# Allegro board SG2042_EVB_V1_1.brd

Outline 304.8 x 243.84 mm; copper layers: TOP, GND02, ART03, GND04, ART05, GND06, PWR07, PWR08, GND09, ART10, GND11, BOTTOM. Coordinates in mm from the lower left corner of the outline.
Outline path: 0,240.84 arc(0.88,242.96) 3,243.84 301.8,243.84 arc(303.92,242.96) 304.8,240.84 304.8,3 arc(303.92,0.88) 301.8,0 3,0 arc(0.88,0.88) 0,3 0,240.84

## Design rules (mm)
constraint set DEFAULT: min track width 0.102
net group DDR0_PLL_TESTOUT: nets DDR0_PLL_TESTOUT_N DDR0_PLL_TESTOUT_P
net group DDR1_PLL_TESTOUT: nets DDR1_PLL_TESTOUT_N DDR1_PLL_TESTOUT_P
net group DDR2_PLL_TESTOUT: nets DDR2_PLL_TESTOUT_N DDR2_PLL_TESTOUT_P
net group DDR3_PLL_TESTOUT: nets DDR3_PLL_TESTOUT_N DDR3_PLL_TESTOUT_P
net group EMMC_CLK: nets EMMC_CLK N16879443
net group EMMC_CMD: nets EMMC_CMD N18430898
net group EMMC_DAT0: nets EMMC_DAT0 N18430900
net group EMMC_DAT1: nets EMMC_DAT1 N18430902
net group EMMC_DAT2: nets EMMC_DAT2 N18430904
net group EMMC_DAT3: nets EMMC_DAT3 N18430906
net group EMMC_RST_X: nets EMMC_RST_X N18430910
net group PCIE0_0_REFCLK_M: nets N17216233 PCIE0_0_REFCLK_M
net group PCIE0_0_REFCLK_P: nets N17216212 PCIE0_0_REFCLK_P
net group PCIE0_1_REFCLK_M: nets N17216271 PCIE0_1_REFCLK_M
net group PCIE0_1_REFCLK_P: nets N17216252 PCIE0_1_REFCLK_P
net group PCIE0_2_REFCLK_M: nets N17216309 PCIE0_2_REFCLK_M
net group PCIE0_2_REFCLK_P: nets N17216290 PCIE0_2_REFCLK_P
net group PCIE0_3_REFCLK_M: nets N20251336 PCIE0_3_REFCLK_M
net group PCIE0_3_REFCLK_P: nets N20251326 PCIE0_3_REFCLK_P
net group PCIE0_RX[0]: nets PCIE0_RXM[0] PCIE0_RXP[0]
net group PCIE0_RX[1]: nets PCIE0_RXM[1] PCIE0_RXP[1]
net group PCIE0_RX[2]: nets PCIE0_RXM[2] PCIE0_RXP[2]
net group PCIE0_RX[3]: nets PCIE0_RXM[3] PCIE0_RXP[3]
net group PCIE0_RX[4]: nets PCIE0_RXM[4] PCIE0_RXP[4]
net group PCIE0_RX[5]: nets PCIE0_RXM[5] PCIE0_RXP[5]
net group PCIE0_RX[6]: nets PCIE0_RXM[6] PCIE0_RXP[6]
net group PCIE0_RX[7]: nets PCIE0_RXM[7] PCIE0_RXP[7]
net group PCIE0_RX[8]: nets PCIE0_RXM[8] PCIE0_RXP[8]
net group PCIE0_RX[9]: nets PCIE0_RXM[9] PCIE0_RXP[9]
net group PCIE0_RX[10]: nets PCIE0_RXM[10] PCIE0_RXP[10]
net group PCIE0_RX[11]: nets PCIE0_RXM[11] PCIE0_RXP[11]
net group PCIE0_RX[12]: nets PCIE0_RXM[12] PCIE0_RXP[12]
net group PCIE0_RX[13]: nets PCIE0_RXM[13] PCIE0_RXP[13]
net group PCIE0_RX[14]: nets PCIE0_RXM[14] PCIE0_RXP[14]
net group PCIE0_RX[15]: nets PCIE0_RXM[15] PCIE0_RXP[15]
net group PCIE0_TXM[0]: nets PCIE0_TXM[0] PCIE0_TXM[0]_L
net group PCIE0_TXM[1]: nets PCIE0_TXM[1] PCIE0_TXM[1]_L
net group PCIE0_TXM[2]: nets PCIE0_TXM[2] PCIE0_TXM[2]_L
net group PCIE0_TXM[3]: nets PCIE0_TXM[3] PCIE0_TXM[3]_L
net group PCIE0_TXM[4]: nets PCIE0_TXM[4] PCIE0_TXM[4]_L
net group PCIE0_TXM[5]: nets PCIE0_TXM[5] PCIE0_TXM[5]_L
net group PCIE0_TXM[6]: nets PCIE0_TXM[6] PCIE0_TXM[6]_L
net group PCIE0_TXM[7]: nets PCIE0_TXM[7] PCIE0_TXM[7]_L
net group PCIE0_TXM[8]: nets PCIE0_TXM[8] PCIE0_TXM[8]_L
net group PCIE0_TXM[9]: nets PCIE0_TXM[9] PCIE0_TXM[9]_L
net group PCIE0_TXM[10]: nets PCIE0_TXM[10] PCIE0_TXM[10]_L
net group PCIE0_TXM[11]: nets PCIE0_TXM[11] PCIE0_TXM[11]_L
net group PCIE0_TXM[12]: nets PCIE0_TXM[12] PCIE0_TXM[12]_L
net group PCIE0_TXM[13]: nets PCIE0_TXM[13] PCIE0_TXM[13]_L
net group PCIE0_TXM[14]: nets PCIE0_TXM[14] PCIE0_TXM[14]_L
net group PCIE0_TXM[15]: nets PCIE0_TXM[15] PCIE0_TXM[15]_L
net group PCIE0_TXP[0]: nets PCIE0_TXP[0] PCIE0_TXP[0]_L
net group PCIE0_TXP[1]: nets PCIE0_TXP[1] PCIE0_TXP[1]_L
net group PCIE0_TXP[2]: nets PCIE0_TXP[2] PCIE0_TXP[2]_L
net group PCIE0_TXP[3]: nets PCIE0_TXP[3] PCIE0_TXP[3]_L
net group PCIE0_TXP[4]: nets PCIE0_TXP[4] PCIE0_TXP[4]_L
net group PCIE0_TXP[5]: nets PCIE0_TXP[5] PCIE0_TXP[5]_L
net group PCIE0_TXP[6]: nets PCIE0_TXP[6] PCIE0_TXP[6]_L
net group PCIE0_TXP[7]: nets PCIE0_TXP[7] PCIE0_TXP[7]_L
net group PCIE0_TXP[8]: nets PCIE0_TXP[8] PCIE0_TXP[8]_L
net group PCIE0_TXP[9]: nets PCIE0_TXP[9] PCIE0_TXP[9]_L
net group PCIE0_TXP[10]: nets PCIE0_TXP[10] PCIE0_TXP[10]_L
net group PCIE0_TXP[11]: nets PCIE0_TXP[11] PCIE0_TXP[11]_L
net group PCIE0_TXP[12]: nets PCIE0_TXP[12] PCIE0_TXP[12]_L
net group PCIE0_TXP[13]: nets PCIE0_TXP[13] PCIE0_TXP[13]_L
net group PCIE0_TXP[14]: nets PCIE0_TXP[14] PCIE0_TXP[14]_L
net group PCIE0_TXP[15]: nets PCIE0_TXP[15] PCIE0_TXP[15]_L
net group PCIE1_0_REFCLK_M: nets N17216403 PCIE1_0_REFCLK_M
net group PCIE1_0_REFCLK_P: nets N17216384 PCIE1_0_REFCLK_P
net group PCIE1_1_REFCLK_M: nets N17216441 PCIE1_1_REFCLK_M
net group PCIE1_1_REFCLK_P: nets N17216422 PCIE1_1_REFCLK_P
net group PCIE1_2_REFCLK_M: nets N17216485 PCIE1_2_REFCLK_M
net group PCIE1_2_REFCLK_P: nets N17216464 PCIE1_2_REFCLK_P
net group PCIE1_RX[0]: nets PCIE1_RXM[0] PCIE1_RXP[0]
net group PCIE1_RX[1]: nets PCIE1_RXM[1] PCIE1_RXP[1]
net group PCIE1_RX[2]: nets PCIE1_RXM[2] PCIE1_RXP[2]
net group PCIE1_RX[3]: nets PCIE1_RXM[3] PCIE1_RXP[3]
net group PCIE1_RX[4]: nets PCIE1_RXM[4] PCIE1_RXP[4]
net group PCIE1_RX[5]: nets PCIE1_RXM[5] PCIE1_RXP[5]
net group PCIE1_RX[6]: nets PCIE1_RXM[6] PCIE1_RXP[6]
net group PCIE1_RX[7]: nets PCIE1_RXM[7] PCIE1_RXP[7]
net group PCIE1_RX[8]: nets PCIE1_RXM[8] PCIE1_RXP[8]
net group PCIE1_RX[9]: nets PCIE1_RXM[9] PCIE1_RXP[9]
net group PCIE1_RX[10]: nets PCIE1_RXM[10] PCIE1_RXP[10]
net group PCIE1_RX[11]: nets PCIE1_RXM[11] PCIE1_RXP[11]
net group PCIE1_RX[12]: nets PCIE1_RXM[12] PCIE1_RXP[12]
net group PCIE1_RX[13]: nets PCIE1_RXM[13] PCIE1_RXP[13]
net group PCIE1_RX[14]: nets PCIE1_RXM[14] PCIE1_RXP[14]
net group PCIE1_RX[15]: nets PCIE1_RXM[15] PCIE1_RXP[15]
net group PCIE1_TXM[0]: nets PCIE1_TXM[0] PCIE1_TXM[0]_L
net group PCIE1_TXM[1]: nets PCIE1_TXM[1] PCIE1_TXM[1]_L
net group PCIE1_TXM[2]: nets PCIE1_TXM[2] PCIE1_TXM[2]_L
net group PCIE1_TXM[3]: nets PCIE1_TXM[3] PCIE1_TXM[3]_L
net group PCIE1_TXM[4]: nets PCIE1_TXM[4] PCIE1_TXM[4]_L
net group PCIE1_TXM[5]: nets PCIE1_TXM[5] PCIE1_TXM[5]_L
net group PCIE1_TXM[6]: nets PCIE1_TXM[6] PCIE1_TXM[6]_L
net group PCIE1_TXM[7]: nets PCIE1_TXM[7] PCIE1_TXM[7]_L
net group PCIE1_TXM[8]: nets PCIE1_TXM[8] PCIE1_TXM[8]_L
net group PCIE1_TXM[9]: nets PCIE1_TXM[9] PCIE1_TXM[9]_L
net group PCIE1_TXM[10]: nets PCIE1_TXM[10] PCIE1_TXM[10]_L
net group PCIE1_TXM[11]: nets PCIE1_TXM[11] PCIE1_TXM[11]_L
net group PCIE1_TXM[12]: nets PCIE1_TXM[12] PCIE1_TXM[12]_L
net group PCIE1_TXM[13]: nets PCIE1_TXM[13] PCIE1_TXM[13]_L
net group PCIE1_TXM[14]: nets PCIE1_TXM[14] PCIE1_TXM[14]_L
net group PCIE1_TXM[15]: nets PCIE1_TXM[15] PCIE1_TXM[15]_L
net group PCIE1_TXP[0]: nets PCIE1_TXP[0] PCIE1_TXP[0]_L
net group PCIE1_TXP[1]: nets PCIE1_TXP[1] PCIE1_TXP[1]_L
net group PCIE1_TXP[2]: nets PCIE1_TXP[2] PCIE1_TXP[2]_L
net group PCIE1_TXP[3]: nets PCIE1_TXP[3] PCIE1_TXP[3]_L
net group PCIE1_TXP[4]: nets PCIE1_TXP[4] PCIE1_TXP[4]_L
net group PCIE1_TXP[5]: nets PCIE1_TXP[5] PCIE1_TXP[5]_L
net group PCIE1_TXP[6]: nets PCIE1_TXP[6] PCIE1_TXP[6]_L
net group PCIE1_TXP[7]: nets PCIE1_TXP[7] PCIE1_TXP[7]_L
net group PCIE1_TXP[8]: nets PCIE1_TXP[8] PCIE1_TXP[8]_L
net group PCIE1_TXP[9]: nets PCIE1_TXP[9] PCIE1_TXP[9]_L
net group PCIE1_TXP[10]: nets PCIE1_TXP[10] PCIE1_TXP[10]_L
net group PCIE1_TXP[11]: nets PCIE1_TXP[11] PCIE1_TXP[11]_L
net group PCIE1_TXP[12]: nets PCIE1_TXP[12] PCIE1_TXP[12]_L
net group PCIE1_TXP[13]: nets PCIE1_TXP[13] PCIE1_TXP[13]_L
net group PCIE1_TXP[14]: nets PCIE1_TXP[14] PCIE1_TXP[14]_L
net group PCIE1_TXP[15]: nets PCIE1_TXP[15] PCIE1_TXP[15]_L
net group PCIE_REFCLK: nets PCIE_REFCLK_M PCIE_REFCLK_P
net group PCIE_REFCLK_IN: nets PCIE_REFCLK_IN_N PCIE_REFCLK_IN_P
net group PHY_0: nets N17144524 N17144531
net group PHY_1: nets N17144571 N17144582
net group PHY_2: nets N17144609 N17144619
net group PHY_3: nets N17144632 N17144641
net group PHY_MDI0: nets PHY_MDI0+ PHY_MDI0-
net group PHY_MDI1: nets PHY_MDI1+ PHY_MDI1-
net group PHY_MDI2: nets PHY_MDI2+ PHY_MDI2-
net group PHY_MDI3: nets PHY_MDI3+ PHY_MDI3-
net group RGMII0_MDIO: nets N18436140 RGMII0_MDIO
net group RGMII0_RXC: nets N17142066 RGMII0_RXC
net group RGMII0_RXCTRL: nets N17142082 RGMII0_RXCTRL
net group RGMII0_RXD0: nets N17142098 RGMII0_RXD0
net group RGMII0_RXD1: nets N17142114 RGMII0_RXD1
net group RGMII0_RXD2: nets N17142142 RGMII0_RXD2
net group RGMII0_RXD3: nets N17142158 RGMII0_RXD3
net group RGMII0_TXC: nets N19927520 RGMII0_TXC
net group RGMII0_TXCTRL: nets N19927533 RGMII0_TXCTRL
net group RGMII0_TXD0: nets N19927546 RGMII0_TXD0
net group RGMII0_TXD1: nets N19927559 RGMII0_TXD1
net group RGMII0_TXD2: nets N19927572 RGMII0_TXD2
net group RGMII0_TXD3: nets N19927577 RGMII0_TXD3
net group SD: nets SDIO_RST_X SDIO_WP
net group SDIO_CD_X: nets N16880231 SDIO_CD_X
net group SDIO_CLK: nets N16880032 SDIO_CLK
net group SDIO_CMD: nets N16880080 SDIO_CMD
net group SDIO_DAT0: nets N16880122 SDIO_DAT0
net group SDIO_DAT1: nets N16880147 SDIO_DAT1
net group SDIO_DAT2: nets N16880209 SDIO_DAT2
net group SDIO_DAT3: nets N16880195 SDIO_DAT3
net group TEMP_N: nets N19746810 TEMP_N
net group TEMP_P: nets N19746790 TEMP_P
net group USB2_1: nets N16807257 N16807287
net group USB2_2: nets N18066499 N18066514
net group USB2_3: nets N18587041 N18587056
net group 12V: nets 12V_DIMM 12V_F 12V_F_R +12V_ATX N19740223 VDD_12V
net group DDR0_C: nets DDR0_ACT_N DDR0_BA0 DDR0_BA1 DDR0_BG0 DDR0_BG1 DDR0_CID0 DDR0_CID1 DDR0_CKE0 DDR0_CKE1 DDR0_CS_N0 DDR0_CS_N1 DDR0_MA0 DDR0_MA1 DDR0_MA2 DDR0_MA3 DDR0_MA4 DDR0_MA5 DDR0_MA6 DDR0_MA7 DDR0_MA8 DDR0_MA9 DDR0_MA10 DDR0_MA11 DDR0_MA12 DDR0_MA13 DDR0_MA14 DDR0_MA15 DDR0_MA16 DDR0_MA17 DDR0_ODT0 DDR0_ODT1 DDR0_PAR
net group DDR0_CA: nets DDR0_ALERT_N DDR0_ATB0 DDR0_ATB1 DDR0_CAL_0 DDR0_RESET_N
net group DDR0_D_0[0-7]: nets DDR0_DQ0 DDR0_DQ1 DDR0_DQ2 DDR0_DQ3
net group DDR0_D_0[4-7](X4): nets DDR0_DM0_N DDR0_DM0_P DDR0_DQ4 DDR0_DQ5 DDR0_DQ6 DDR0_DQ7
net group DDR0_D_1[8-15]: nets DDR0_DQ12 DDR0_DQ13 DDR0_DQ14 DDR0_DQ15
net group DDR0_D_1[15-18](X4): nets DDR0_DM1_N DDR0_DM1_P DDR0_DQ8 DDR0_DQ9 DDR0_DQ10 DDR0_DQ11
net group DDR0_D_2[16-23]: nets DDR0_DM2_P DDR0_DQ16 DDR0_DQ17 DDR0_DQ18 DDR0_DQ19
net group DDR0_D_2[20-23](X4): nets DDR0_DM2_N DDR0_DQ20 DDR0_DQ21 DDR0_DQ22 DDR0_DQ23
net group DDR0_D_3[24-31]: nets DDR0_DM3_P DDR0_DQ24 DDR0_DQ25 DDR0_DQ26 DDR0_DQ27
net group DDR0_D_3[28-31](X4): nets DDR0_DM3_N DDR0_DQ28 DDR0_DQ29 DDR0_DQ30 DDR0_DQ31
net group DDR0_D_4[32-39]: nets DDR0_DM4_P DDR0_DQ32 DDR0_DQ33 DDR0_DQ34 DDR0_DQ35
net group DDR0_D_4[36-39](X4): nets DDR0_DM4_N DDR0_DQ36 DDR0_DQ37 DDR0_DQ38 DDR0_DQ39
net group DDR0_D_5[40-47]: nets DDR0_DM5_P DDR0_DQ40 DDR0_DQ41 DDR0_DQ42 DDR0_DQ43
net group DDR0_D_5[44-47](X4): nets DDR0_DM5_N DDR0_DQ44 DDR0_DQ45 DDR0_DQ46 DDR0_DQ47
net group DDR0_D_6[48-55]: nets DDR0_DM6_P DDR0_DQ48 DDR0_DQ49 DDR0_DQ50 DDR0_DQ51
net group DDR0_D_6[52-55](X4): nets DDR0_DM6_N DDR0_DQ52 DDR0_DQ53 DDR0_DQ54 DDR0_DQ55
net group DDR0_D_7[56-63]: nets DDR0_DM7_P DDR0_DQ56 DDR0_DQ57 DDR0_DQ58 DDR0_DQ59
net group DDR0_D_7[60-63](X4): nets DDR0_DM7_N DDR0_DQ60 DDR0_DQ61 DDR0_DQ62 DDR0_DQ63
net group DDR0_DQS_TO_CK: nets DDR0_CLK0_N DDR0_CLK0_P DDR0_CLK1_N DDR0_CLK1_P DDR0_DQS0_N DDR0_DQS0_P DDR0_DQS1_N DDR0_DQS1_P DDR0_DQS2_N DDR0_DQS2_P DDR0_DQS3_N DDR0_DQS3_P DDR0_DQS4_N DDR0_DQS4_P DDR0_DQS5_N DDR0_DQS5_P DDR0_DQS6_N DDR0_DQS6_P DDR0_DQS7_N DDR0_DQS7_P DDR0_ECC_DQS_N DDR0_ECC_DQS_P
net group DDR0_ECC[0-7]: nets DDR0_ECC_DM_P DDR0_ECC_DQ0 DDR0_ECC_DQ1 DDR0_ECC_DQ2 DDR0_ECC_DQ3
net group DDR0_ECC[4-7](X4): nets DDR0_ECC_DM_N DDR0_ECC_DQ4 DDR0_ECC_DQ5 DDR0_ECC_DQ6 DDR0_ECC_DQ7
net group DDR1_C: nets DDR1_ACT_N DDR1_BA0 DDR1_BA1 DDR1_BG0 DDR1_BG1 DDR1_CID0 DDR1_CID1 DDR1_CKE0 DDR1_CKE1 DDR1_CLK0_P DDR1_CLK1_P DDR1_CS_N0 DDR1_CS_N1 DDR1_MA0 DDR1_MA1 DDR1_MA2 DDR1_MA3 DDR1_MA4 DDR1_MA5 DDR1_MA6 DDR1_MA7 DDR1_MA8 DDR1_MA9 DDR1_MA10 DDR1_MA11 DDR1_MA12 DDR1_MA13 DDR1_MA14 DDR1_MA15 DDR1_MA16 DDR1_MA17 DDR1_ODT0 DDR1_ODT1 DDR1_PAR
net group DDR1_CA: nets DDR1_ALERT_N DDR1_ATB0 DDR1_ATB1 DDR1_CAL_0 DDR1_RESET_N
net group DDR1_D_0[0-7]: nets DDR1_DM0_P DDR1_DQ0 DDR1_DQ1 DDR1_DQ2 DDR1_DQ3 DDR1_DQS0_P
net group DDR1_D_0[4-7](X4): nets DDR1_DM0_N DDR1_DQ4 DDR1_DQ5 DDR1_DQ6 DDR1_DQ7
net group DDR1_D_1[8-15]: nets DDR1_DM1_P DDR1_DQ8 DDR1_DQ9 DDR1_DQ10 DDR1_DQ11 DDR1_DQS1_P
net group DDR1_D_1[12-15](X4): nets DDR1_DM1_N DDR1_DQ12 DDR1_DQ13 DDR1_DQ14 DDR1_DQ15
net group DDR1_D_2[16-23]: nets DDR1_DM2_P DDR1_DQ16 DDR1_DQ17 DDR1_DQ18 DDR1_DQ19 DDR1_DQS2_P
net group DDR1_D_2[20-23](X4): nets DDR1_DM2_N DDR1_DQ20 DDR1_DQ21 DDR1_DQ22 DDR1_DQ23
net group DDR1_D_3[24-31]: nets DDR1_DM3_P DDR1_DQ27 DDR1_DQS3_P
net group DDR1_D_3[28-31](X4): nets DDR1_DM3_N DDR1_DQ28 DDR1_DQ29 DDR1_DQ30 DDR1_DQ31
net group DDR1_D_4[32-39]: nets DDR1_DM4_P DDR1_DQ32 DDR1_DQ33 DDR1_DQ34 DDR1_DQ35 DDR1_DQS4_P
net group DDR1_D_4[36-39](X4): nets DDR1_DM4_N DDR1_DQ36 DDR1_DQ37 DDR1_DQ38 DDR1_DQ39
net group DDR1_D_5[40-47]: nets DDR1_DM5_P DDR1_DQ40 DDR1_DQ41 DDR1_DQ42 DDR1_DQ43 DDR1_DQS5_P
net group DDR1_D_5[44-47](X4): nets DDR1_DM5_N DDR1_DQ44 DDR1_DQ45 DDR1_DQ46 DDR1_DQ47
net group DDR1_D_6[48-55]: nets DDR1_DM6_P DDR1_DQ48 DDR1_DQ49 DDR1_DQ50 DDR1_DQ51 DDR1_DQS6_P
net group DDR1_D_6[52-55](X4): nets DDR1_DM6_N DDR1_DQ52 DDR1_DQ53 DDR1_DQ54 DDR1_DQ55
net group DDR1_D_7[56-63]: nets DDR1_DM7_P DDR1_DQ56 DDR1_DQ57 DDR1_DQ58 DDR1_DQ59 DDR1_DQS7_P
net group DDR1_D_7[60-63](X4): nets DDR1_DM7_N DDR1_DQ60 DDR1_DQ61 DDR1_DQ62 DDR1_DQ63
net group DDR1_DQ: nets DDR1_DQ24 DDR1_DQ25 DDR1_DQ26
net group DDR1_DQS_TO_CK: nets DDR1_CLK0_N DDR1_CLK1_N DDR1_DQS0_N DDR1_DQS1_N DDR1_DQS2_N DDR1_DQS3_N DDR1_DQS4_N DDR1_DQS5_N DDR1_DQS6_N DDR1_DQS7_N DDR1_ECC_DQS_N
net group DDR1_ECC[0-7]: nets DDR1_ECC_DM_P DDR1_ECC_DQ0 DDR1_ECC_DQ1 DDR1_ECC_DQ2 DDR1_ECC_DQ3 DDR1_ECC_DQS_P
net group DDR1_ECC[4-7](X4): nets DDR1_ECC_DM_N DDR1_ECC_DQ4 DDR1_ECC_DQ5 DDR1_ECC_DQ6 DDR1_ECC_DQ7
net group DDR2_C: nets DDR2_ACT_N DDR2_BA0 DDR2_BA1 DDR2_BG0 DDR2_BG1 DDR2_CID0 DDR2_CID1 DDR2_CKE0 DDR2_CKE1 DDR2_CS_N0 DDR2_CS_N1 DDR2_MA0 DDR2_MA1 DDR2_MA2 DDR2_MA3 DDR2_MA4 DDR2_MA5 DDR2_MA6 DDR2_MA7 DDR2_MA8 DDR2_MA9 DDR2_MA10 DDR2_MA11 DDR2_MA12 DDR2_MA13 DDR2_MA14 DDR2_MA15 DDR2_MA16 DDR2_MA17 DDR2_ODT0 DDR2_ODT1 DDR2_PAR
net group DDR2_CA: nets DDR2_ALERT_N DDR2_ATB0 DDR2_ATB1 DDR2_CAL_0 DDR2_RESET_N
net group DDR2_D_0[0-7]: nets DDR2_DM0_P DDR2_DQ0 DDR2_DQ1 DDR2_DQ2 DDR2_DQ3 DDR2_DQS0_P
net group DDR2_D_0[4-7](X4): nets DDR2_DM0_N DDR2_DQ4 DDR2_DQ5 DDR2_DQ6 DDR2_DQ7
net group DDR2_D_1[8-15]: nets DDR2_DM1_P DDR2_DQ8 DDR2_DQ9 DDR2_DQ10 DDR2_DQ11 DDR2_DQS1_P
net group DDR2_D_1[12-15](X4): nets DDR2_DM1_N DDR2_DQ12 DDR2_DQ13 DDR2_DQ14 DDR2_DQ15
net group DDR2_D_2[16-23]: nets DDR2_DM2_P DDR2_DQ16 DDR2_DQ17 DDR2_DQ18 DDR2_DQ19 DDR2_DQS2_P
net group DDR2_D_2[20-23](X4): nets DDR2_DM2_N DDR2_DQ20 DDR2_DQ21 DDR2_DQ22 DDR2_DQ23
net group DDR2_D_3[24-31]: nets DDR2_DM3_P DDR2_DQ24 DDR2_DQ25 DDR2_DQ26 DDR2_DQ27 DDR2_DQS3_P
net group DDR2_D_3[28-31](X4): nets DDR2_DM3_N DDR2_DQ28 DDR2_DQ29 DDR2_DQ30 DDR2_DQ31
net group DDR2_D_4[32-39]: nets DDR2_DM4_P DDR2_DQ32 DDR2_DQ33 DDR2_DQ34 DDR2_DQ35 DDR2_DQS4_P
net group DDR2_D_4[36-39](X4): nets DDR2_DM4_N DDR2_DQ36 DDR2_DQ37 DDR2_DQ38 DDR2_DQ39
net group DDR2_D_5[40-47]: nets DDR2_DM5_P DDR2_DQ40 DDR2_DQ41 DDR2_DQ42 DDR2_DQ43 DDR2_DQS5_P
net group DDR2_D_5[44-47](X4): nets DDR2_DM5_N DDR2_DQ44 DDR2_DQ45 DDR2_DQ46 DDR2_DQ47
net group DDR2_D_6[48-55]: nets DDR2_DM6_P DDR2_DQ48 DDR2_DQ49 DDR2_DQ50 DDR2_DQ51 DDR2_DQS6_P
net group DDR2_D_6[52-55](X4): nets DDR2_DM6_N DDR2_DQ52 DDR2_DQ53 DDR2_DQ54 DDR2_DQ55
net group DDR2_D_7[56-63]: nets DDR2_DM7_P DDR2_DQ56 DDR2_DQ57 DDR2_DQ58 DDR2_DQ59 DDR2_DQS7_P
net group DDR2_D_7[60-63](X4): nets DDR2_DM7_N DDR2_DQ60 DDR2_DQ61 DDR2_DQ62 DDR2_DQ63
net group DDR2_DQS_TO_CK: nets DDR2_CLK0_N DDR2_CLK0_P DDR2_CLK1_N DDR2_CLK1_P DDR2_DQS0_N DDR2_DQS1_N DDR2_DQS2_N DDR2_DQS3_N DDR2_DQS4_N DDR2_DQS5_N DDR2_DQS6_N DDR2_DQS7_N DDR2_ECC_DQS_N
net group DDR2_ECC[0-7]: nets DDR2_ECC_DM_P DDR2_ECC_DQ0 DDR2_ECC_DQ1 DDR2_ECC_DQ2 DDR2_ECC_DQ3 DDR2_ECC_DQS_P
net group DDR2_ECC[4-7](X4): nets DDR2_ECC_DM_N DDR2_ECC_DQ4 DDR2_ECC_DQ5 DDR2_ECC_DQ6 DDR2_ECC_DQ7
net group DDR3_C: nets DDR3_ACT_N DDR3_BA0 DDR3_BA1 DDR3_BG0 DDR3_BG1 DDR3_CID0 DDR3_CID1 DDR3_CKE0 DDR3_CKE1 DDR3_CS_N0 DDR3_CS_N1 DDR3_MA0 DDR3_MA1 DDR3_MA2 DDR3_MA3 DDR3_MA4 DDR3_MA5 DDR3_MA6 DDR3_MA7 DDR3_MA8 DDR3_MA9 DDR3_MA10 DDR3_MA11 DDR3_MA12 DDR3_MA13 DDR3_MA14 DDR3_MA15 DDR3_MA16 DDR3_MA17 DDR3_ODT0 DDR3_ODT1 DDR3_PAR
net group DDR3_CA: nets DDR3_ALERT_N DDR3_ATB0 DDR3_ATB1 DDR3_CAL_0 DDR3_RESET_N
net group DDR3_D_0[0-7]: nets DDR3_DM0_P DDR3_DQ0 DDR3_DQ1 DDR3_DQ2 DDR3_DQ3 DDR3_DQS0_P
net group DDR3_D_0[4-7](X4): nets DDR3_DM0_N DDR3_DQ4 DDR3_DQ5 DDR3_DQ6 DDR3_DQ7
net group DDR3_D_1[8-15]: nets DDR3_DM1_P DDR3_DQ8 DDR3_DQ9 DDR3_DQ10 DDR3_DQ11 DDR3_DQS1_P
net group DDR3_D_1[12-15](X4): nets DDR3_DM1_N DDR3_DQ12 DDR3_DQ13 DDR3_DQ14 DDR3_DQ15
net group DDR3_D_2[16-23]: nets DDR3_DM2_P DDR3_DQ16 DDR3_DQ17 DDR3_DQ18 DDR3_DQ19 DDR3_DQS2_P
net group DDR3_D_2[20-23](X4): nets DDR3_DM2_N DDR3_DQ20 DDR3_DQ21 DDR3_DQ22 DDR3_DQ23
net group DDR3_D_3[24-31]: nets DDR3_DM3_P DDR3_DQ24 DDR3_DQ25 DDR3_DQ26 DDR3_DQ27 DDR3_DQS3_P
net group DDR3_D_3[28-31](X4): nets DDR3_DM3_N DDR3_DQ28 DDR3_DQ29 DDR3_DQ30 DDR3_DQ31
net group DDR3_D_4[32-39]: nets DDR3_DM4_P DDR3_DQ32 DDR3_DQ33 DDR3_DQ34 DDR3_DQ35 DDR3_DQS4_P
net group DDR3_D_4[36-39](X4): nets DDR3_DM4_N DDR3_DQ36 DDR3_DQ37 DDR3_DQ38 DDR3_DQ39
net group DDR3_D_5[40-47]: nets DDR3_DM5_P DDR3_DQ40 DDR3_DQ41 DDR3_DQ42 DDR3_DQ43 DDR3_DQS5_P
net group DDR3_D_5[44-47](X4): nets DDR3_DM5_N DDR3_DQ44 DDR3_DQ45 DDR3_DQ46 DDR3_DQ47
net group DDR3_D_6[48-55]: nets DDR3_DM6_P DDR3_DQ48 DDR3_DQ49 DDR3_DQ50 DDR3_DQ51 DDR3_DQS6_P
net group DDR3_D_6[52-55](X4): nets DDR3_DM6_N DDR3_DQ52 DDR3_DQ53 DDR3_DQ54 DDR3_DQ55
net group DDR3_D_7[56-63]: nets DDR3_DM7_P DDR3_DQ56 DDR3_DQ57 DDR3_DQ58 DDR3_DQ59 DDR3_DQS7_P
net group DDR3_D_7[60-63](X4): nets DDR3_DM7_N DDR3_DQ60 DDR3_DQ61 DDR3_DQ62 DDR3_DQ63
net group DDR3_DQS_TO_CK: nets DDR3_CLK0_N DDR3_CLK0_P DDR3_CLK1_N DDR3_CLK1_P DDR3_DQS0_N DDR3_DQS1_N DDR3_DQS2_N DDR3_DQS3_N DDR3_DQS4_N DDR3_DQS5_N DDR3_DQS6_N DDR3_DQS7_N DDR3_ECC_DQS_N
net group DDR3_ECC[0-7]: nets DDR3_ECC_DM_P DDR3_ECC_DQ0 DDR3_ECC_DQ1 DDR3_ECC_DQ2 DDR3_ECC_DQ3 DDR3_ECC_DQS_P
net group DDR3_ECC[4-7](X4): nets DDR3_ECC_DM_N DDR3_ECC_DQ4 DDR3_ECC_DQ5 DDR3_ECC_DQ6 DDR3_ECC_DQ7
net group EMMC: nets EMMC_CD_X EMMC_DS EMMC_PWR_EN EMMC_WP N18430908 N18430912
net group RGMII0: nets N19738408 RGMII0_IRQ RGMII0_REFCLKO RGMII0_RST_H
net group RGMII0_MDC: nets N18436137 N1714183128 RGMII0_MDC
net group SPI: nets N16966457 N16966458 N16966459 N16966460 N16966486 N16966538 N16966548 N16966558 N16966568 N16966578 N18431005 N18761243 N18761256 N18761269 N18761282 N18761295 N18761308 N18761323 N18761336 N18761349 N18761362 N18761375 N18761388 N18761531 N18761567 N19813579 SPI0_CS0_X SPI0_CS1_X SPI0_HOLD_X SPI0_SCK SPI0_SDI SPI0_SDO SPI0_WP_X SPI1_CS0_X SPI1_CS1_X SPI1_HOLD_X SPI1_SCK SPI1_SDI SPI1_SDO SPI1_WP_X SPIF0_CLK_SEL0 SPIF0_CLK_SEL1 SPIF0_CS_X SPIF0_HOLD_X SPIF0_SCK SPIF0_SDI SPIF0_SDO SPIF0_WP_X SPIF1_CLK_SEL0 SPIF1_CLK_SEL1 SPIF1_CS_X SPIF1_HOLD_X SPIF1_SCK SPIF1_SDI SPIF1_SDO SPIF1_WP_X

## Placement (name value [footprint] x y rotation side)
ATXPWR1  POWER_CON_24P  [CON-THD24-522X96-ATX-VF]  86.26 235.92 180 top
BT2000  BATTERY  [BAT-SMD1220]  258.75 216.05 0 top
C1  10uF/6.3V  [C0402]  211.76 44.3 270 top
C2  10uF/6.3V  [C0402]  211.76 42.34 270 top
C3  100nF_25V  [C0402]  211.76 40.39 270 top
C4  100nF_25V  [C0402]  211.76 38.43 270 top
C5  100uF/6.3V  [C1210]  216.26 112.55 0 top
C6  100uF/6.3V  [C1210]  213.89 121.72 90 top
C7  10uF/6.3V  [C0402]  211.76 118.97 270 top
C8  10uF/6.3V  [C0402]  211.79 113.69 270 top
C9  10uF/6.3V  [C0402]  211.76 111.05 270 top
C10  10uF/6.3V  [C0402]  211.76 108.41 270 top
C11  10uF/6.3V  [C0402]  211.76 95.48 270 top
C12  100nF_25V  [C0402]  211.76 91.97 270 top
C13  100nF_25V  [C0402]  211.76 88.47 270 top
C14  100uF/6.3V  [C1210]  217.63 106.78 90 top
C15  100uF/6.3V  [C1210]  214.5 106.78 90 top
C16  47uF_6.3V  [C0603]  211.76 105.26 90 top
C17  47uF_6.3V  [C0603]  211.76 102.62 270 top
C19  22uF_25V  [C0805]  213.87 168.66 270 top
C20  100nF_25V  [C0402]  211.61 168.83 270 top
C21  10uF/6.3V  [C0402]  202.36 44.3 270 top
C22  10uF/6.3V  [C0402]  202.36 42.24 270 top
C23  100nF_25V  [C0402]  202.36 40.51 90 top
C24  100nF_25V  [C0402]  202.36 38.43 270 top
C25  100uF/6.3V  [C1210]  213.92 91.85 270 top
C26  100uF/6.3V  [C1210]  213.89 84.63 270 top
C27  10uF/6.3V  [C0402]  202.36 118.97 270 top
C28  10uF/6.3V  [C0402]  202.36 113.69 270 top
C29  10uF/6.3V  [C0402]  202.36 111.05 270 top
C30  10uF/6.3V  [C0402]  202.36 108.41 270 top
C31  10uF/6.3V  [C0402]  202.36 95.48 270 top
C32  100nF_25V  [C0402]  202.36 91.97 270 top
C33  100nF_25V  [C0402]  202.36 88.47 270 top
C34  100uF/6.3V  [C1210]  214.5 102.08 270 top
C35  100uF/6.3V  [C1210]  217.63 102.08 270 top
C36  47uF_6.3V  [C0603]  202.36 105.26 90 top
C37  47uF_6.3V  [C0603]  202.36 102.62 270 top
C39  22uF_25V  [C0805]  212.04 174.98 90 top
C40  100nF_25V  [C0402]  202.36 168.83 270 top
C41  10uF/6.3V  [C0402]  73.58 38.43 270 top
C42  10uF/6.3V  [C0402]  73.58 40.51 90 top
C43  100nF_25V  [C0402]  73.58 42.24 270 top
C44  100nF_25V  [C0402]  73.58 44.3 270 top
C45  100uF/6.3V  [C1210]  62.05 121.11 90 top
C46  100uF/6.3V  [C1210]  60.15 113.16 180 top
C47  10uF/6.3V  [C0402]  64.19 120.57 90 top
C48  10uF/6.3V  [C0402]  64.19 118.06 270 top
C49  10uF/6.3V  [C0402]  64.19 112.95 270 top
C50  10uF/6.3V  [C0402]  64.19 108.69 90 top
C51  10uF/6.3V  [C0402]  64.19 95.07 90 top
C52  100nF_25V  [C0402]  64.19 92.56 270 top
C53  100nF_25V  [C0402]  64.19 88.32 270 top
C54  100uF/6.3V  [C1210]  58.8 102.69 270 top
C55  100uF/6.3V  [C1210]  61.93 102.69 270 top
C56  47uF_6.3V  [C0603]  64.19 105.26 90 top
C57  47uF_6.3V  [C0603]  64.19 102.62 270 top
C59  22uF_25V  [C0805]  62.92 168.68 270 top
C60  100nF_25V  [C0402]  64.34 168.83 270 top
C61  10uF/6.3V  [C0402]  64.34 38.43 270 top
C62  10uF/6.3V  [C0402]  64.34 40.39 270 top
C63  100nF_25V  [C0402]  64.34 42.34 270 top
C64  100nF_25V  [C0402]  64.34 44.3 270 top
C65  100uF/6.3V  [C1210]  62.05 92.25 270 top
C66  100uF/6.3V  [C1210]  62.05 86.08 270 top
C67  10uF/6.3V  [C0402]  73.58 120.57 90 top
C68  10uF/6.3V  [C0402]  73.58 118.03 270 top
C69  10uF/6.3V  [C0402]  73.58 112.95 270 top
C70  10uF/6.3V  [C0402]  73.58 108.69 90 top
C71  10uF/6.3V  [C0402]  73.58 95.07 90 top
C72  100nF_25V  [C0402]  73.58 92.56 270 top
C73  100nF_25V  [C0402]  73.58 88.32 270 top
C74  100uF/6.3V  [C1210]  58.8 107.39 90 top
C75  100uF/6.3V  [C1210]  61.93 107.39 90 top
C76  47uF_6.3V  [C0603]  73.58 105.26 90 top
C77  47uF_6.3V  [C0603]  73.58 102.62 270 top
C79  22uF_25V  [C0805]  62.92 174.98 90 top
C80  100nF_25V  [C0402]  64.34 174.83 90 top
C81  10uF/6.3V  [C0402_BGA]  121.47 124.15 90 bottom
C82  10uF/6.3V  [C0402_BGA]  122.47 124.15 270 bottom
C83  10uF/6.3V  [C0402_BGA]  123.47 124.15 90 bottom
C84  10uF/6.3V  [C0402_BGA]  121.47 122.15 90 bottom
C85  10uF/6.3V  [C0402_BGA]  122.47 122.15 270 bottom
C86  10uF/6.3V  [C0402_BGA]  123.47 122.15 90 bottom
C87  10uF/6.3V  [C0402_BGA]  121.47 120.15 90 bottom
C88  10uF/6.3V  [C0402_BGA]  122.47 120.15 270 bottom
C89  1uF_16V  [C0402_BGA]  123.47 120.15 90 bottom
C90  1uF_16V  [C0402_BGA]  121.47 118.15 90 bottom
C91  1uF_16V  [C0402_BGA]  122.47 118.15 270 bottom
C92  1uF_16V  [C0402_BGA]  123.47 118.15 90 bottom
C93  1uF_16V  [C0402_BGA]  121.47 116.15 90 bottom
C94  1uF_16V  [C0402_BGA]  122.47 116.15 270 bottom
C95  1uF_16V  [C0402_BGA]  123.47 116.15 90 bottom
C96  1uF_16V  [C0402_BGA]  121.47 114.15 90 bottom
C97  1uF_16V  [C0402_BGA]  122.47 114.15 270 bottom
C98  1uF_16V  [C0402_BGA]  123.47 114.15 90 bottom
C99  1uF_16V  [C0402_BGA]  121.47 112.15 90 bottom
C100  1uF_16V  [C0402_BGA]  122.47 112.15 270 bottom
C101  1uF_16V  [C0402_BGA]  123.47 112.15 90 bottom
C102  1uF_16V  [C0402_BGA]  121.47 110.15 90 bottom
C103  1uF_16V  [C0402_BGA]  122.47 110.15 270 bottom
C104  1uF_16V  [C0402_BGA]  123.47 110.15 90 bottom
C105  1uF_16V  [C0402_BGA]  121.47 108.15 90 bottom
C106  1uF_16V  [C0402_BGA]  122.47 108.15 270 bottom
C107  1uF_16V  [C0402_BGA]  123.47 108.15 90 bottom
C108  1uF_16V  [C0402_BGA]  121.47 106.15 90 bottom
C109  1uF_16V  [C0402_BGA]  122.47 106.15 270 bottom
C110  1uF_16V  [C0402_BGA]  123.47 106.15 270 bottom
C111  1uF_16V  [C0402_BGA]  121.47 104.15 90 bottom
C112  1uF_16V  [C0402_BGA]  122.47 104.15 270 bottom
C113  1uF_16V  [C0402_BGA]  123.47 104.15 90 bottom
C114  1uF_16V  [C0402_BGA]  121.47 102.15 90 bottom
C115  1uF_16V  [C0402_BGA]  122.47 102.15 270 bottom
C116  1uF_16V  [C0402_BGA]  123.47 102.15 90 bottom
C117  1uF_16V  [C0402_BGA]  121.47 100.15 90 bottom
C118  1uF_16V  [C0402_BGA]  122.47 100.15 270 bottom
C119  1uF_16V  [C0402_BGA]  121.47 98.15 90 bottom
C120  1uF_16V  [C0402_BGA]  122.47 98.15 270 bottom
C121  1uF_16V  [C0402_BGA]  121.47 96.15 90 bottom
C122  1uF_16V  [C0402_BGA]  122.47 96.15 270 bottom
C123  1uF_16V  [C0402_BGA]  121.47 94.15 90 bottom
C124  1uF_16V  [C0402_BGA]  122.47 94.15 270 bottom
C125  1uF_16V  [C0402_BGA]  121.47 92.15 90 bottom